# Altium PCB ultra.PcbDoc (part 3 of 9) (continued)
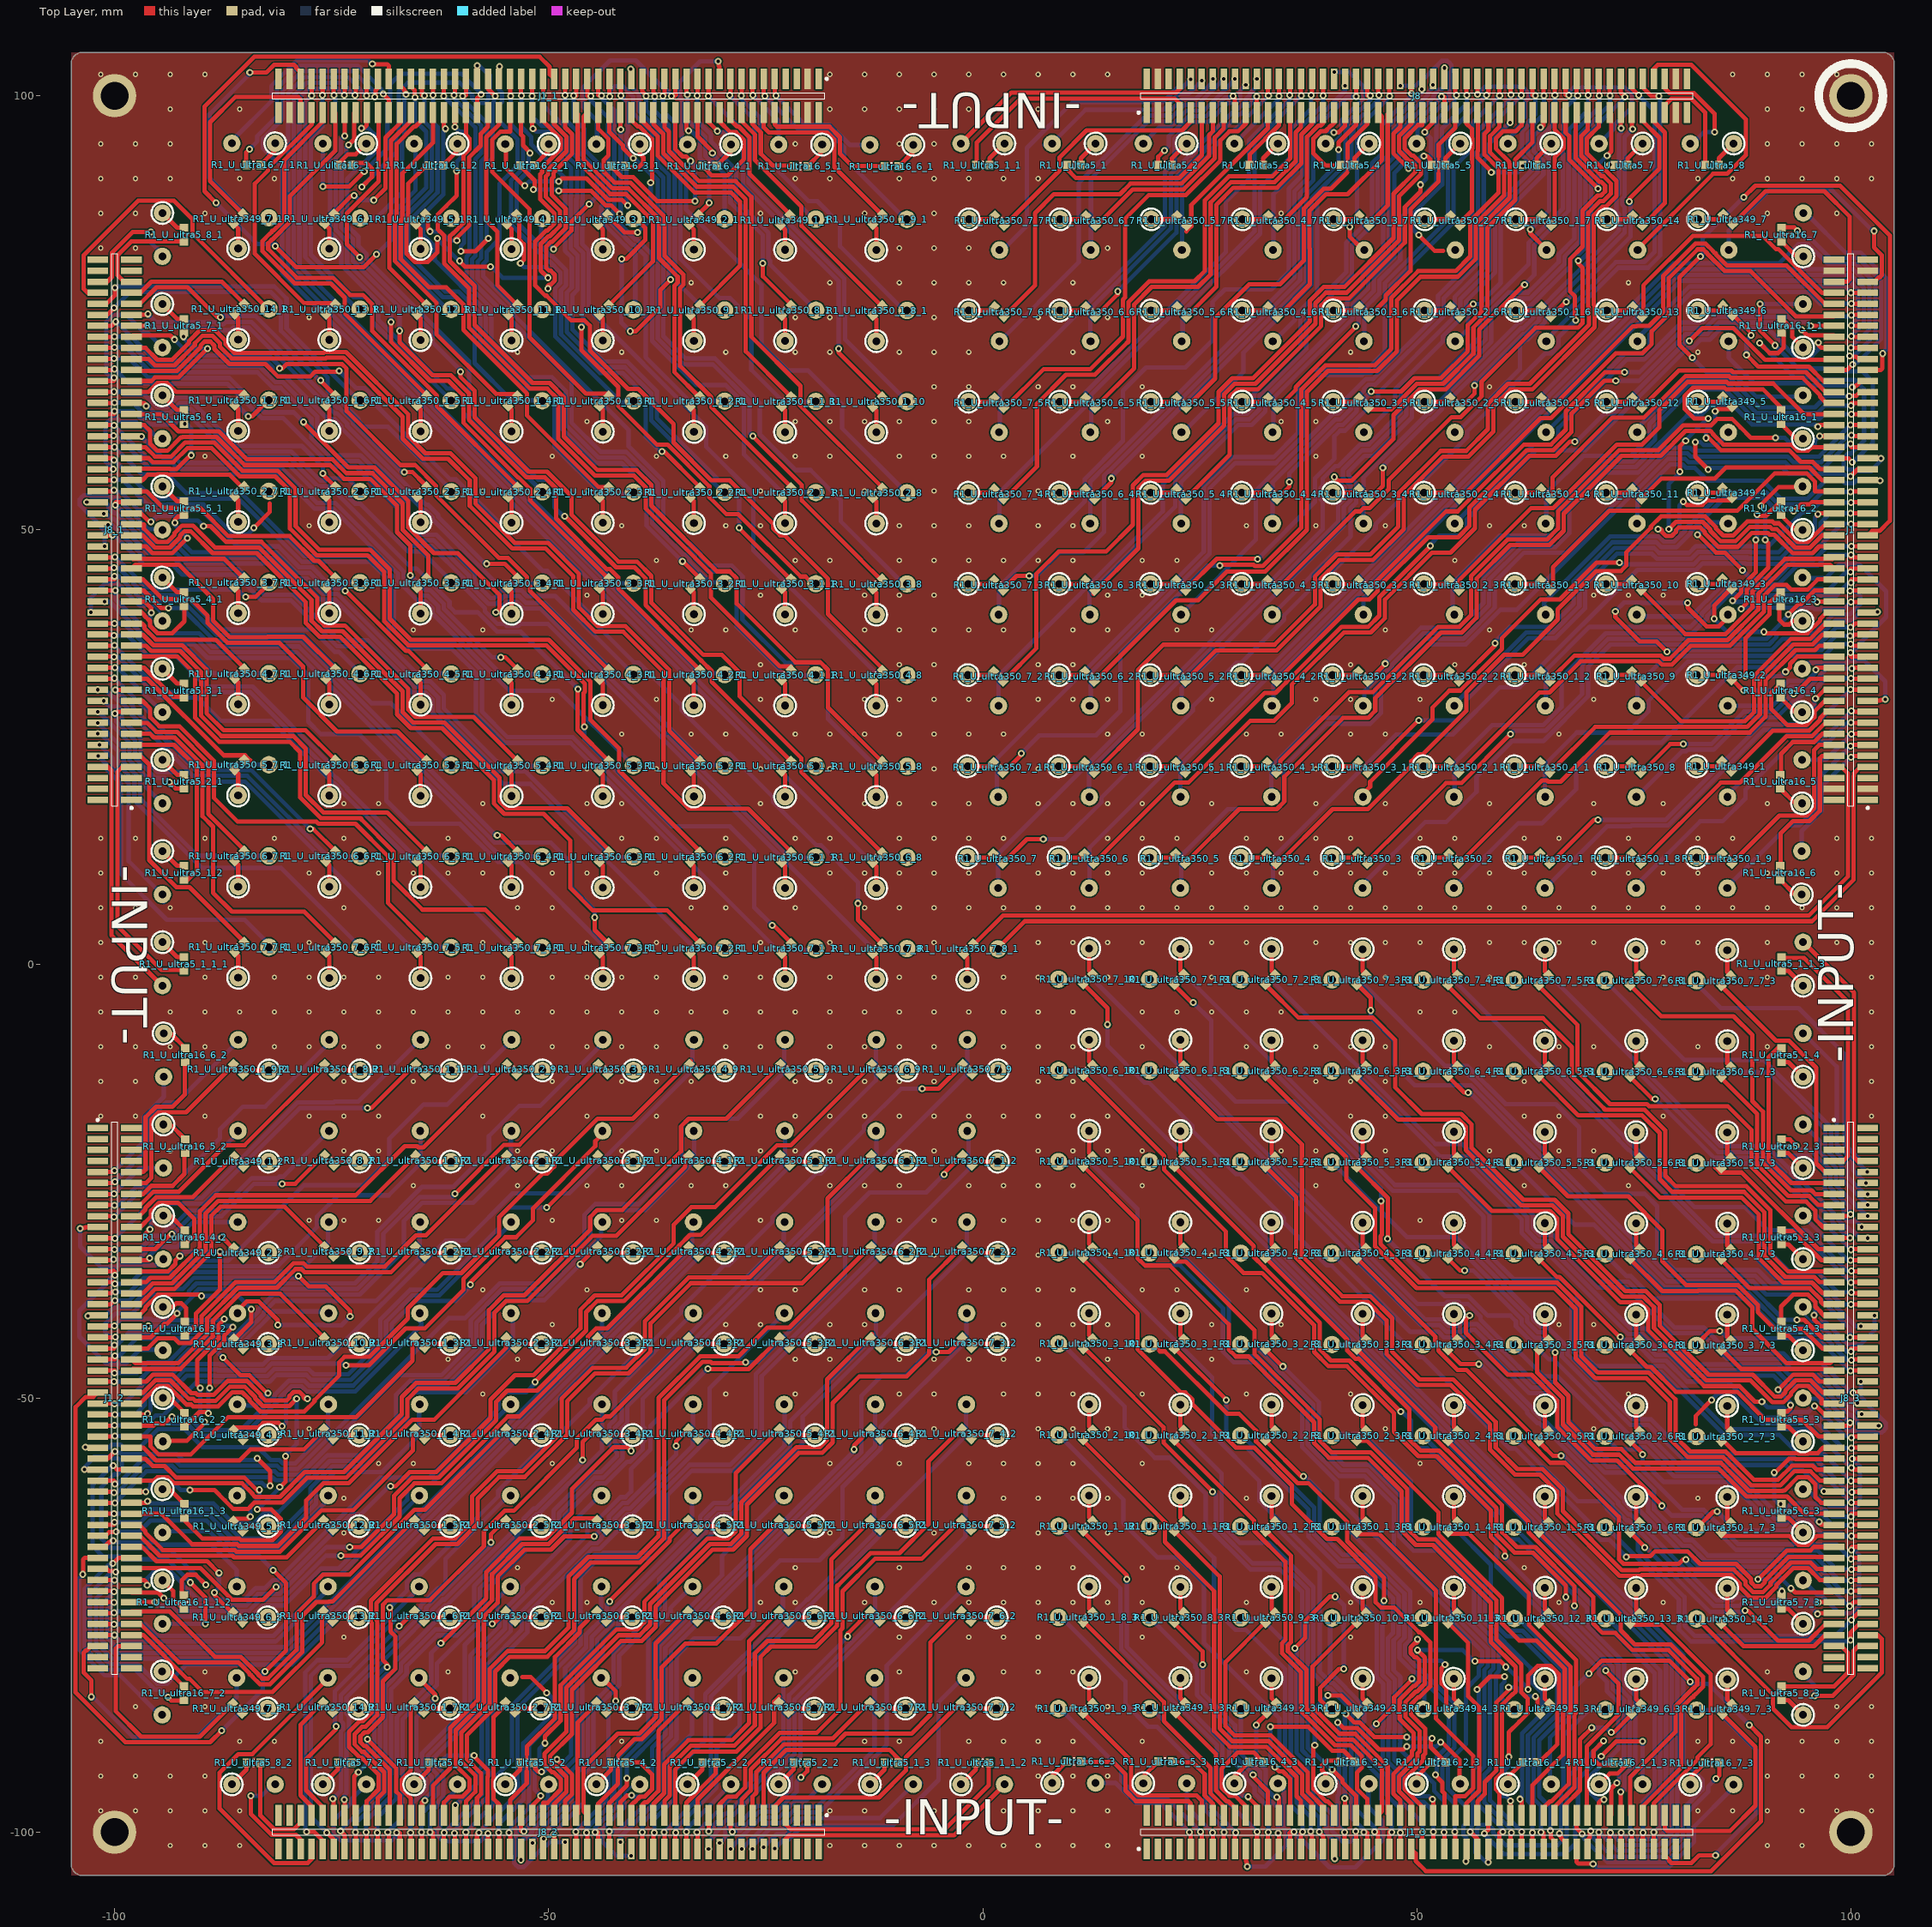
[diagram p0: Top Layer view]
## Nets (pads, with @x,y where several pads share a name; then routed paths per layer and width w, separated by ;. In a path a pad name is that pad's centre, name@x,y a point inside that pad or via, vN(x,y) a via of type N, cw(c..) or ccw(c..) an arc to the next point about the centre after c; other vN are vias at no path point) (continued)
  Bottom Layer w0.5: 22.784,19.685 22.784,22.967 79.817,80 100.313,80 102.159,78.154 102.159,73.127 v2(100.025,70.993)
NetJ1_84: J1.84 | length 101.2
  Top Layer w0.5: 23.317,22.047 32.487,31.217 33.735,31.217 34.945,32.426 34.945,32.435 41.342,38.832 44.423,38.832 45.695,40.104 45.695,42.232 51.562,48.099 v2(51.562,48.158) ; v2(96.241,71.577) 96.241,71.323 96.609,70.955 J1.84@98.05,70.955
  Bottom Layer w0.5: v2(51.562,48.158) 51.562,48.311 52.583,49.332 54.948,49.332 55.768,50.152 55.768,51.191 63.759,59.182 69.444,59.182 81.217,70.955 81.738,70.955 82.701,71.918 83.77,71.918 85.067,73.215 90.425,73.215 92.062,71.578 92.062,71.458 93.92,69.6 95.08,69.6 96.241,70.761 v2(96.241,71.577)
NetJ1_85: J1.85 | length 99.1
  Top Layer w0.5: v2(100.051,72.314) 100.076,72.314 100.165,72.225 J1.85@101.95,72.225
  Bottom Layer w0.5: 33.477,29.732 33.477,32.741 64.019,63.282 64.069,63.282 80.136,79.35 100.043,79.35 101.501,77.893 101.501,73.764 v2(100.051,72.314)
NetJ1_86: J1.86 | length 84.3
  Top Layer w0.5: 34.214,32.944 43.255,41.985 44.528,41.985 45.47,42.926 45.47,43.257 45.446,43.282 51.313,49.149 54.764,49.149 56.058,50.442 56.058,52.57 62.67,59.182 65.742,59.182 67.82,61.26 67.82,63.391 71.612,67.183 v2(72.923,67.183) ; v2(94.336,73.05) 94.986,72.4 98.05,72.4 J1.86@98.05,72.225
  Bottom Layer w0.5: v2(72.923,67.183) 72.949,67.158 75.581,67.158 80.991,72.568 83.501,72.568 84.798,73.865 92.597,73.865 93.162,73.3 94.086,73.3 v2(94.336,73.05)
NetJ1_87: J1.87 | length 80.4
  Top Layer w0.5: v2(100.051,73.533) 100.089,73.495 J1.87@101.95,73.495
  Bottom Layer w0.5: 43.866,40.742 43.866,42.21 64.288,62.632 64.338,62.632 80.406,78.7 99.774,78.7 100.825,77.649 100.825,76.404 100.851,76.379 100.851,74.333 v2(100.051,73.533)
NetJ1_88: J1.88 | length 68.4
  Top Layer w0.5: 44.35,43.105 53.377,52.132 54.701,52.132 55.995,53.426 55.995,53.48 62.347,59.832 65.473,59.832 67.17,61.529 67.17,63.66 71.684,68.174 v2(73.939,68.174) ; v2(95.377,73.508) 95.39,73.495 J1.88@98.05,73.495
  Bottom Layer w0.5: v2(73.939,68.174) 75.677,68.174 80.722,73.218 83.231,73.218 84.529,74.515 92.866,74.515 93.431,73.95 94.935,73.95 v2(95.377,73.508)
NetJ1_89: J1.89 | length 58.9
  Top Layer w0.5: v2(100.051,74.727) 99.974,74.727 99.936,74.765 J1.89@101.95,74.765
  Bottom Layer w0.5: 54.379,50.721 63.49,59.832 65.473,59.832 66.293,60.652 66.293,61.716 74.215,69.639 76.223,69.639 80.452,73.868 82.962,73.868 84.26,75.165 93.135,75.165 93.7,74.6 99.924,74.6 v2(100.051,74.727)
NetJ1_90: J1.90 | length 61.5
  Top Layer w0.5: 55.105,53.708 64.262,62.865 65.459,62.865 66.52,63.926 66.52,63.929 72.923,70.332 75.998,70.332 77.067,71.401 77.067,72.876 79.045,74.854 79.045,79.008 82.346,82.309 83.008,82.309 83.477,81.84 83.477,81.799 85.459,79.817 88.432,79.817 93.65,74.6 98.05,74.6 J1.90@98.05,74.765
NetJ1_91: J1.91 | length 44.6
  Top Layer w0.5: v2(100.051,76.048) 100.063,76.035 J1.91@101.95,76.035
  Bottom Layer w0.5: 65.278,61.62 73.946,70.289 75.954,70.289 76.818,71.152 76.818,72.52 81.697,77.4 95.08,77.4 96.432,76.048 v2(100.051,76.048)
NetJ1_92: J1.92 | length 45.8
  Top Layer w0.5: 65.476,64.028 74.905,73.457 75.336,73.457 75.364,73.485 76.756,73.485 78.395,75.123 78.395,79.277 82.076,82.959 83.278,82.959 84.127,82.109 84.127,82.068 84.316,81.879 84.419,81.879 84.445,81.854 84.445,81.75 85.728,80.467 92.583,80.467 97.015,76.035 J1.92@98.05,76.035
NetJ1_93: J1.93 | length 29.1
  Top Layer w0.5: v2(100.025,77.318) 100.051,77.343 100.203,77.343 100.241,77.305 J1.93@101.95,77.305
  Bottom Layer w0.5: 75.578,72.2 81.428,78.05 99.293,78.05 v2(100.025,77.318)
NetJ1_94: J1.94 | length 30.2
  Top Layer w0.5: 76.098,75.006 76.098,78.156 81.788,83.845 89.864,83.845 91.359,82.35 91.64,82.35 96.685,77.305 J1.94@98.05,77.305
NetJ1_95: J1.95 | length 30.7
  Top Layer w0.5: J1.95@101.95,78.575 102.693,78.575 103.193,79.075 103.316,79.075 103.55,79.309 103.55,81.651 102.667,82.534 v2(102.667,84.43)
  Bottom Layer w0.5: 85.954,81.737 85.954,84.506 90.526,89.078 97.866,89.078 102.514,84.43 v2(102.667,84.43)
NetJ1_96: J1.96 R1_U_ultra349_7.1 | length 25.6
  Top Layer w0.5: R1_U_ultra349_7.1@86.246,85.077 90.17,89.002 96.952,89.002 99.847,86.106 99.847,78.842 99.568,78.562 99.555,78.575 J1.96@98.05,78.575
NetJ2_7: 
NetJ2_8: 
NetJ2_9: 
NetJ2_10: 
NetJ2_11: 
NetJ2_12: 
NetJ2_13: 
NetJ2_14: 
NetJ2_15: 
NetJ2_16: 
NetJ2_17: 
NetJ2_18: 
NetJ2_19: 
NetJ2_20: 
NetJ2_21: 
NetJ2_22: 
NetJ2_23: 
NetJ2_24: 
NetJ2_25: 
NetJ2_26: 
NetJ2_27: 
NetJ2_28: 
NetJ2_29: 
NetJ2_30: 
NetJ2_31: 
NetJ2_32: 
NetJ2_33: 
NetJ2_34: 
NetJ2_35: 
NetJ2_36: 
NetJ2_37: 
NetJ2_38: 
NetJ2_39: 
NetJ2_40: 
NetJ2_41: 
NetJ2_42: 
NetJ2_43: 
NetJ2_44: 
NetJ2_45: 
NetJ2_46: 
NetJ2_47: 
NetJ2_48: 
NetJ2_49: 
NetJ2_50: 
NetJ2_51: 
NetJ2_52: 
NetJ2_53: 
NetJ2_54: 
NetJ2_55: 
NetJ2_56: 
NetJ2_57: 
NetJ2_58: 
NetJ2_59: 
NetJ2_60: 
NetJ2_61: 
NetJ2_62: 
NetJ2_63: 
NetJ2_64: 
NetJ2_65: 
NetJ2_66: 
NetJ2_67: 
NetJ2_68: 
NetJ2_69: 
NetJ2_70: 
NetJ2_71: 
NetJ2_72: 
NetJ2_73: 
NetJ2_74: 
NetJ2_75: 
NetJ2_76: 
NetJ2_77: 
NetJ2_78: 
NetJ2_79: 
NetJ2_80: 
NetJ2_81: 
NetJ2_82: 
NetJ2_83: 
NetJ2_84: 
NetJ2_85: 
NetJ2_86: 
NetJ2_87: 
NetJ2_88: 
NetJ2_89: 
NetJ2_90: 
NetJ2_91: 
NetJ2_92: 
NetJ2_93: 
NetJ2_94: 
NetJ2_95: 
NetJ2_96: 
NetJ3_7: 
NetJ3_8: 
NetJ3_9: 
NetJ3_10: 
NetJ3_11: 
NetJ3_12: 
NetJ3_13: 
NetJ3_14: 
NetJ3_15: 
NetJ3_16: 
NetJ3_17: 
NetJ3_18: 
NetJ3_19: 
NetJ3_20: 
NetJ3_21: 
NetJ3_22: 
NetJ3_23: 
NetJ3_24: 
NetJ3_25: 
NetJ3_26: 
NetJ3_27: 
NetJ3_28: 
NetJ3_29: 
NetJ3_30: 
NetJ3_31: 
NetJ3_32: 
NetJ3_33: 
NetJ3_34: 
NetJ3_35: 
NetJ3_36: 
NetJ3_37: 
NetJ3_38: 
NetJ3_39: 
NetJ3_40: 
NetJ3_41: 
NetJ3_42: 
NetJ3_43: 
NetJ3_44: 
NetJ3_45: 
NetJ3_46: 
NetJ3_47: 
NetJ3_48: 
NetJ3_49: 
NetJ3_50: 
NetJ3_51: 
NetJ3_52: 
NetJ3_53: 
NetJ3_54: 
NetJ3_55: 
NetJ3_56: 
NetJ3_57: 
NetJ3_58: 
NetJ3_59: 
NetJ3_60: 
NetJ3_61: 
NetJ3_62: 
NetJ3_63: 
NetJ3_64: 
NetJ3_65: 
NetJ3_66: 
NetJ3_67: 
NetJ3_68: 
NetJ3_69: 
NetJ3_70: 
NetJ3_71: 
NetJ3_72: 
NetJ3_73: 
NetJ3_74: 
NetJ3_75: 
NetJ3_76: 
NetJ3_77: 
NetJ3_78: 
NetJ3_79: 
NetJ3_80: 
NetJ3_81: 
NetJ3_82: 
NetJ3_83: 
NetJ3_84: 
NetJ3_85: 
NetJ3_86: 
NetJ3_87: 
NetJ3_88: 
NetJ3_89: 
NetJ3_90: 
NetJ3_91: 
NetJ3_92: 
NetJ3_93: 
NetJ3_94: 
NetJ3_95: 
NetJ3_96: 
NetJ4_7: 
NetJ4_8: 
NetJ4_9: 
NetJ4_10: 
NetJ4_11: 
NetJ4_12: 
NetJ4_13: 
NetJ4_14: 
NetJ4_15: 
NetJ4_16: 
NetJ4_17: 
NetJ4_18: 
NetJ4_19: 
NetJ4_20: 
NetJ4_21: 
NetJ4_22: 
NetJ4_23: 
NetJ4_24: 
NetJ4_25: 
NetJ4_26: 
NetJ4_27: 
NetJ4_28: 
NetJ4_29: 
NetJ4_30: 
NetJ4_31: 
NetJ4_32: 
NetJ4_33: 
NetJ4_34: 
NetJ4_35: 
NetJ4_36: 
NetJ4_37: 
NetJ4_38: 
NetJ4_39: 
NetJ4_40: 
NetJ4_41: 
NetJ4_42: 
NetJ4_43: 
NetJ4_44: 
NetJ4_45: 
NetJ4_46: 
NetJ4_47: 
NetJ4_48: 
NetJ4_49: 
NetJ4_50: 
NetJ4_51: 
NetJ4_52: 
NetJ4_53: 
NetJ4_54: 
NetJ4_55: 
NetJ4_56: 
NetJ4_57: 
NetJ4_58: 
NetJ4_59: 
NetJ4_60: 
NetJ4_61: 
NetJ4_62: 
NetJ4_63: 
NetJ4_64: 
NetJ4_65: 
NetJ4_66: 
NetJ4_67: 
NetJ4_68: 
NetJ4_69: 
NetJ4_70: 
NetJ4_71: 
NetJ4_72: 
NetJ4_73: 
NetJ4_74: 
NetJ4_75: 
NetJ4_76: 
NetJ4_77: 
NetJ4_78: 
NetJ4_79: 
NetJ4_80: 
NetJ4_81: 
NetJ4_82: 
NetJ4_83: 
NetJ4_84: 
NetJ4_85: 
NetJ4_86: 
NetJ4_87: 
NetJ4_88: 
NetJ4_89: 
NetJ4_90: 
NetJ4_91: 
NetJ4_92: 
NetJ4_93: 
NetJ4_94: 
NetJ4_95: 
NetJ4_96: 
NetJ5_7: 
NetJ5_8: 
NetJ5_9: 
NetJ5_10: 
NetJ5_11: 
NetJ5_12: 
NetJ5_13: 
NetJ5_14: 
NetJ5_15: 
NetJ5_16: 
NetJ5_17: 
NetJ5_18: 
NetJ5_19: 
NetJ5_20: 
NetJ5_21: 
NetJ5_22: 
NetJ5_23: 
NetJ5_24: 
NetJ5_25: 
NetJ5_26: 
NetJ5_27: 
NetJ5_28: 
NetJ5_29: 
NetJ5_30: 
NetJ5_31: 
NetJ5_32: 
NetJ5_33: 
NetJ5_34: 
NetJ5_35: 
NetJ5_36: 
NetJ5_37: 
NetJ5_38: 
NetJ5_39: 
NetJ5_40: 
NetJ5_41: 
NetJ5_42: 
NetJ5_43: 
NetJ5_44: 
NetJ5_45: 
NetJ5_46: 
NetJ5_47: 
NetJ5_48: 
NetJ5_49: 
NetJ5_50: 
NetJ5_51: 
NetJ5_52: 
NetJ5_53: 
NetJ5_54: 
NetJ5_55: 
NetJ5_56: 
NetJ5_57: 
NetJ5_58: 
NetJ5_59: 
NetJ5_60: 
NetJ5_61: 
NetJ5_62: 
NetJ5_63: 
NetJ5_64: 
NetJ5_65: 
NetJ5_66: 
NetJ5_67: 
NetJ5_68: 
NetJ5_69: 
NetJ5_70: 
NetJ5_71: 
NetJ5_72: 
NetJ5_73: 
NetJ5_74: 
NetJ5_75: 
NetJ5_76: 
NetJ5_77: 
NetJ5_78: 
NetJ5_79: 
NetJ5_80: 
NetJ5_81: 
NetJ5_82: 
NetJ5_83: 
NetJ5_84: 
NetJ5_85: 
NetJ5_86: 
NetJ5_87: 
NetJ5_88: 
NetJ5_89: 
NetJ5_90: 
NetJ5_91: 
NetJ5_92: 
NetJ5_93: 
NetJ5_94: 
NetJ5_95: 
NetJ5_96: 
NetJ6_7: 
NetJ6_8: 
NetJ6_9: 
NetJ6_10: 
NetJ6_11: 
NetJ6_12: 
NetJ6_13: 
NetJ6_14: 
NetJ6_15: 
NetJ6_16: 
NetJ6_17: 
NetJ6_18: 
NetJ6_19: 
NetJ6_20: 
NetJ6_21: 
NetJ6_22: 
NetJ6_23: 
NetJ6_24: 
NetJ6_25: 
NetJ6_26: 
NetJ6_27: 
NetJ6_28: 
NetJ6_29: 
NetJ6_30: 
NetJ6_31: 
NetJ6_32: 
NetJ6_33: 
NetJ6_34: 
NetJ6_35: 
NetJ6_36: 
NetJ6_37: 
NetJ6_38: 
NetJ6_39: 
NetJ6_40: 
NetJ6_41: 
NetJ6_42: 
NetJ6_43: 
NetJ6_44: 
NetJ6_45: 
NetJ6_46: 
NetJ6_47: 
NetJ6_48: 
NetJ6_49: 
NetJ6_50: 
NetJ6_51: 
NetJ6_52: 
NetJ6_53: 
NetJ6_54: 
NetJ6_55: 
NetJ6_56: 
NetJ6_57: 
NetJ6_58: 
NetJ6_59: 
NetJ6_60: 
NetJ6_61: 
NetJ6_62: 
NetJ6_63: 
NetJ6_64: 
NetJ6_65: 
NetJ6_66: 
NetJ6_67: 
NetJ6_68: 
NetJ6_69: 
NetJ6_70: 
NetJ6_71: 
NetJ6_72: 
NetJ6_73: 
NetJ6_74: 
NetJ6_75: 
NetJ6_76: 
NetJ6_77: 
NetJ6_78: 
NetJ6_79: 
NetJ6_80: 
NetJ6_81: 
NetJ6_82: 
NetJ6_83: 
NetJ6_84: 
NetJ6_85: 
NetJ6_86: 
NetJ6_87: 
NetJ6_88: 
NetJ6_89: 
NetJ6_90: 
NetJ6_91: 
NetJ6_92: 
NetJ6_93: 
NetJ6_94: 
NetJ6_95: 
NetJ6_96: 
NetJ7_7: 
NetJ7_8: 
NetJ7_9: 
NetJ7_10: 
NetJ7_11: 
NetJ7_12: 
NetJ7_13: 
NetJ7_14: 
NetJ7_15: 
NetJ7_16: 
NetJ7_17: 
NetJ7_18: 
NetJ7_19: 
NetJ7_20: 
NetJ7_21: 
NetJ7_22: 
NetJ7_23: 
NetJ7_24: 
NetJ7_25: 
NetJ7_26: 
NetJ7_27: 
NetJ7_28: 
NetJ7_29: 
NetJ7_30: 
NetJ7_31: 
NetJ7_32: 
NetJ7_33: 
NetJ7_34: 
NetJ7_35: 
NetJ7_36: 
NetJ7_37: 
NetJ7_38: 
NetJ7_39: 
NetJ7_40: 
NetJ7_41: 
NetJ7_42: 
NetJ7_43: 
NetJ7_44: 
NetJ7_45: 
NetJ7_46: 
NetJ7_47: 
NetJ7_48: 
NetJ7_49: 
NetJ7_50: 
NetJ7_51: 
NetJ7_52: 
NetJ7_53: 
NetJ7_54: 
NetJ7_55: 
NetJ7_56: 
NetJ7_57: 
NetJ7_58: 
NetJ7_59: 
NetJ7_60: 
NetJ7_61: 
NetJ7_62: 
NetJ7_63: 
NetJ7_64: 
NetJ7_65: 
NetJ7_66: 
NetJ7_67: 
NetJ7_68: 
NetJ7_69: 
NetJ7_70: 
NetJ7_71: 
NetJ7_72: 
NetJ7_73: 
NetJ7_74: 
NetJ7_75: 
NetJ7_76: 
NetJ7_77: 
NetJ7_78: 
NetJ7_79: 
NetJ7_80: 
NetJ7_81: 
NetJ7_82: 
NetJ7_83: 
NetJ7_84: 
NetJ7_85: 
NetJ7_86: 
NetJ7_87: 
NetJ7_88: 
NetJ7_89: 
NetJ7_90: 
NetJ7_91: 
NetJ7_92: 
NetJ7_93: 
NetJ7_94: 
NetJ7_95: 
NetJ7_96: 
NetJ8_7: J8.7 | length 29.6
  Top Layer w0.5: -0.686,91.796 -0.686,94.615 4.349,99.65 22.143,99.65 22.695,99.098 J8.7@22.695,98.05
NetJ8_8: J8.8 | length 28.2
  Top Layer w0.5: -1.968,95.085 3.297,100.35 22.27,100.35 22.695,100.775 J8.8@22.695,101.95
NetJ8_9: J8.9 | length 28.1
  Top Layer w0.5: 2.667,85.192 8.839,91.364 8.839,92.888 11.963,96.012 22.962,96.012 23.965,97.015 J8.9@23.965,98.05
NetJ8_10: J8.10 | length 35.1
  Top Layer w0.2: v2(23.952,101.879) 23.965,101.892 J8.10@23.965,101.95
  Bottom Layer w0.5: 2.324,82.258 5.08,85.014 5.08,93.98 10.388,99.288 20.792,99.288 22.407,100.903 22.975,100.903 v2(23.952,101.879)
NetJ8_11: J8.11 | length 22
  Top Layer w0.5: 9.672,91.587 10.74,90.52 22.611,90.52 25.235,93.144 J8.11@25.235,98.05
NetJ8_12: J8.12 | length 21.4
  Top Layer w0.2: v2(25.222,101.727) 25.235,101.74 J8.12@25.235,101.95
  Bottom Layer w0.5: 7.112,94.361 7.823,94.361 11.831,98.368 20.792,98.368 22.677,100.253 23.748,100.253 v2(25.222,101.727)
NetJ8_13: J8.13 | length 41.3
  Top Layer w0.5: 2.447,74.583 6.02,78.156 6.02,86.487 8.179,88.646 15.794,88.646 17.018,89.87 22.88,89.87 26.081,93.071 26.081,95.479 26.505,95.903 J8.13@26.505,98.05
NetJ8_14: J8.14 | length 42.9
  Bottom Layer w0.5: 1.753,71.501 11.043,80.791 11.043,89.942 18.819,97.718 21.062,97.718 22.946,99.603 24.508,99.603 26.505,101.599 v2(26.505,101.95)
NetJ8_15: J8.15 | length 22.6
  Top Layer w0.5: 13.061,84.994 17.287,89.22 23.15,89.22 26.731,92.801 26.731,95.21 27.775,96.253 J8.15@27.775,98.05
NetJ8_16: J8.16 | length 29
  Bottom Layer w0.5: 12.471,81.509 12.471,90.451 19.089,97.068 21.331,97.068 23.215,98.953 24.778,98.953 v2(27.775,101.95)
NetJ8_17: J8.17 | length 14.8
  Top Layer w0.5: 20.218,92.405 20.218,92.989 v2(20.93,93.701) ; v2(28.854,99.974) 29.045,99.784 J8.17@29.045,98.05
  Bottom Layer w0.5: v2(20.93,93.701) 21.45,94.221 21.45,95.349 23.753,97.653 25.766,97.653 27.938,99.824 28.704,99.824 v2(28.854,99.974)
NetJ8_18: J8.18 | length 13.2
  Bottom Layer w0.5: 18.86,94.907 20.371,96.418 21.6,96.418 23.484,98.303 25.497,98.303 29.045,101.851 v2(29.045,101.95)
NetJ8_19: J8.19 | length 51.8
  Top Layer w0.5: 2.506,63.999 7.025,68.519 12.41,68.519 16.15,72.258 16.15,76.51 16.383,76.743 16.383,85.827 19.126,88.57 23.419,88.57 27.381,92.532 27.381,94.861 28.42,95.9 29.403,95.9 30.315,96.812 J8.19@30.315,98.05
NetJ8_20: J8.20 | length 54.4
  Top Layer w0.5: v2(30.302,101.27) 30.315,101.283 J8.20@30.315,101.95
  Bottom Layer w0.5: 1.981,61.036 1.981,65.957 21.012,84.987 21.012,91.249 22.1,92.338 22.1,95.08 24.023,97.003 26.035,97.003 28.207,99.174 29.186,99.174 29.654,99.643 29.654,100.622 v2(30.302,101.27)
NetJ8_21: J8.21 | length 35.3
  Top Layer w0.5: 12.98,74.55 15.545,77.114 v2(15.545,77.47) ; v2(31.572,99.924) 31.572,98.063 J8.21@31.585,98.05
  Bottom Layer w0.5: v2(15.545,77.47) 22.312,84.237 22.312,90.711 24.051,92.45 24.349,92.45 25.55,93.651 25.55,93.949 29.475,97.874 29.724,97.874 30.954,99.105 30.954,99.354 31.524,99.924 v2(31.572,99.924)
NetJ8_22: J8.22 | length 37.8
  Bottom Layer w0.5: 12.395,72.441 12.395,75.452 21.662,84.718 21.662,90.98 23.782,93.1 24.08,93.1 24.9,93.92 24.9,94.218 29.206,98.524 29.455,98.524 30.304,99.374 30.304,99.623 30.772,100.091 30.772,100.255 31.585,101.068 v2(31.585,101.95)
NetJ8_23: J8.23 | length 17.6
  Top Layer w0.5: 23.444,84.379 24.028,84.963 24.028,87.428 32.855,96.254 J8.23@32.855,98.05
NetJ8_24: J8.24 | length 23.9
  Top Layer w0.5: J8.24@32.855,101.95 32.855,100.267 32.766,100.178 32.766,100.152 v2(32.918,100)
  Bottom Layer w0.5: 22.962,82.702 22.962,90.441 24.32,91.8 24.618,91.8 26.2,93.382 26.2,93.68 28.42,95.9 28.819,95.9 v2(32.918,100)
NetJ8_25: J8.25 | length 7.1
  Top Layer w0.5: 30.785,92.354 30.785,93.265 34.125,96.605 J8.25@34.125,98.05
NetJ8_26: J8.26 | length 9
  Top Layer w0.5: v2(34.112,99.974) 34.138,100 34.138,100.254 34.125,100.266 J8.26@34.125,101.95
  Bottom Layer w0.5: 29.4,94.907 34.112,99.619 v2(34.112,99.974)
NetJ8_27: J8.27 | length 66.2
  Top Layer w0.5: 2.463,53.517 6.248,57.302 6.248,64.541 9.576,67.869 12.929,67.869 16.612,71.552 16.698,71.552 16.8,71.653 16.8,76.241 19.187,78.628 24.399,78.628 25.599,79.828 25.599,87.965 28.341,90.708 33.371,90.708 35.4,92.737 35.4,95.08 35.395,95.085 J8.27@35.395,98.05
NetJ8_28: J8.28 | length 65.6
  Top Layer w0.5: v2(35.382,100.051) 35.395,100.063 J8.28@35.395,101.95
  Bottom Layer w0.5: 1.93,50.267 1.93,54.305 11.847,64.222 11.847,65.831 19.883,73.868 19.962,73.868 20.782,74.688 20.782,74.767 27.991,81.975 27.991,87.736 30.653,90.399 30.653,94.895 35.382,99.624 v2(35.382,100.051)
NetJ8_29: J8.29 | length 49.5
  Top Layer w0.5: 13.221,64.376 17.45,68.605 17.45,75.971 19.456,77.978 24.801,77.978 26.249,79.426 26.249,87.696 28.611,90.058 33.64,90.058 36.05,92.468 36.05,95.788 36.665,96.403 J8.29@36.665,98.05
NetJ8_30: J8.30 | length 50.5
  Top Layer w0.5: J8.30@36.665,101.95 36.665,100.012 v2(36.678,100)
  Bottom Layer w0.5: 12.497,61.519 12.497,65.562 20.152,73.218 20.231,73.218 21.432,74.419 21.432,74.498 31.307,84.373 31.307,86.348 31.303,86.352 31.303,94.625 v2(36.678,100)
NetJ8_31: J8.31 | length 32.4
  Top Layer w0.5: 23.475,74.554 26.899,77.978 26.899,87.427 28.88,89.408 33.909,89.408 36.7,92.199 36.7,95.518 37.935,96.753 J8.31@37.935,98.05
NetJ8_32: J8.32 | length 36.4
  Top Layer w0.5: v2(37.821,100.076) 37.935,100.19 J8.32@37.935,101.95
  Bottom Layer w0.5: 23.038,71.732 23.038,75.184 31.957,84.103 31.957,86.617 31.953,86.621 31.953,89.417 35.5,92.964 35.5,96.157 37.821,98.477 v2(37.821,100.076)
NetJ8_33: J8.33 | length 15.3
  Top Layer w0.5: 34.026,85.029 37.35,88.353 37.35,95.249 38.651,96.55 38.92,96.55 39.205,96.835 J8.33@39.205,98.05
NetJ8_34: J8.34 | length 22.7
  Top Layer w0.5: J8.34@39.205,101.95 39.205,100.038 v2(39.218,100.025)
  Bottom Layer w0.5: 33.503,81.636 33.503,88.691 36.15,91.338 36.15,95.888 39.218,98.955 v2(39.218,100.025)
NetJ8_35: J8.35 | length 9.5
  Top Layer w0.5: J8.35@40.475,98.05 40.475,96.863 40.17,96.558 40.105,96.558 39.637,96.089 39.637,96.025 39.512,95.9 38.92,95.9 38.1,95.08 38.1,93.345 39.472,91.973 40.919,91.973
NetJ8_36: J8.36 | length 15.2
  Top Layer w0.2: J8.36@40.475,101.95 40.475,102.68 v2(40.513,102.718)
  Bottom Layer w0.3: 39.091,94.132 39.599,93.624 39.345,93.624 41.25,95.529 41.25,96.273 41.225,96.249 41.225,96.609
  Bottom Layer w0.5: v2(40.513,102.718) 42.215,102.718 43.866,101.067 43.828,101.028 43.828,99.592 43.359,99.124 43.28,99.124 41.225,97.069 41.225,96.609
NetJ8_37: J8.37 | length 76.2
  Top Layer w0.5: 2.331,43.123 3.912,44.704 v2(5.359,44.704) ; v2(40.437,95.758) 40.869,95.758 40.919,95.809 40.97,95.758 41.745,96.533 J8.37@41.745,98.05
  Bottom Layer w0.5: v2(5.359,44.704) 6.172,44.704 8.865,47.396 11.608,47.396 13.97,49.759 13.97,56.224 14.477,56.731 14.506,56.731 36.571,78.796 36.571,88.751 38.1,90.28 38.1,95.08 38.92,95.9 40.437,95.9 40.437,95.982 40.661,95.758 v2(40.437,95.758)
NetJ8_38: J8.38 | length 84
  Top Layer w0.2: v2(41.732,101.143) 41.745,101.156 J8.38@41.745,101.95
  Bottom Layer w0.5: 1.88,40.232 1.88,43.409 11.745,53.274 11.745,55.838 16.154,60.247 16.154,66.04 18.821,68.707 23.343,68.707 26.492,71.857 26.492,76.276 27.915,77.699 33.255,77.699 35.271,79.715 35.271,89.289 36.8,90.818 36.8,95.618 41.732,100.551 v2(41.732,101.143)
NetJ8_39: J8.39 | length 56.9
  Top Layer w0.5: 12.907,53.572 14.808,55.474 v2(14.808,55.931) ; v2(40.996,93.802) 40.996,94.64 43.015,96.66 J8.39@43.015,98.05
  Bottom Layer w0.5: v2(14.808,55.931) 14.808,56.113 37.221,78.527 37.221,88.482 40.996,92.256 v2(40.996,93.802)
NetJ8_40: J8.40 | length 64.3
  Top Layer w0.5: J8.40@43.015,101.95 43.015,100.14 43.002,100.127 43.002,99.949 v2(43.028,99.924)
  Bottom Layer w0.5: 12.395,50.952 12.395,55.568 14.208,57.381 14.237,57.381 35.921,79.065 35.921,89.02 37.45,90.549 37.45,95.349 42.024,99.924 v2(43.028,99.924)
NetJ8_41: J8.41 | length 45
  Top Layer w0.3: 41.986,91.161 41.986,92.761 42.012,92.786
  Top Layer w0.5: 23.558,64.198 26.772,67.412 26.772,74.371 30.683,78.283 34.265,78.283 36.993,81.011 36.993,87.01 39.279,89.296 40.122,89.296 41.986,91.161 ; 42.012,92.786 42.024,92.799 42.024,94.45 44.285,96.711 J8.41@44.285,98.05
NetJ8_42: J8.42 | length 49.7
  Top Layer w0.5: J8.42@44.285,101.95 44.285,100.038 44.298,100.025 v2(44.628,100.025)
  Bottom Layer w0.5: 23.292,61.443 30.023,68.174 30.023,70.409 37.871,78.257 37.871,88.212 41.8,92.141 41.8,95.904 42.055,96.16 42.055,96.98 43.549,98.474 43.628,98.474 44.628,99.473 v2(44.628,100.025)
NetJ8_43: J8.43 | length 30.2
  Top Layer w0.5: 33.97,74.559 37.694,78.283 37.694,82.398 37.643,82.448 37.643,86.741 39.548,88.646 42.037,88.646 46,92.609 46,97.605 J8.43@45.555,98.05
NetJ8_44: J8.44 | length 35.2
  Top Layer w0.5: J8.44@45.555,101.95 45.555,100.292 45.644,100.203 v2(45.644,100.076)
  Bottom Layer w0.5: 33.63,71.831 35.962,74.163 35.962,74.666 38.521,77.225 38.521,87.943 42.45,91.872 42.45,95.635 42.705,95.89 42.705,96.711 43.818,97.824 43.897,97.824 45.644,99.57 v2(45.644,100.076)
NetJ8_45: J8.45 | length 13.8
  Top Layer w0.5: 44.526,85.242 46.65,87.366 46.65,97.875 J8.45@46.825,98.05
NetJ8_46: J8.46 | length 22
  Top Layer w0.5: v2(42.291,84.912) 42.291,83.744 43.561,82.474 ; J8.46@46.825,101.95 46.825,100.038 v2(46.888,99.974)
  Bottom Layer w0.5: v2(42.291,84.912) 42.291,84.963 43.1,85.772 43.1,95.366 43.355,95.621 43.355,96.441 44.088,97.174 44.167,97.174 46.888,99.895 v2(46.888,99.974)
NetJ8_47: J8.47 | length 11.8
  Top Layer w0.5: J8.47@48.095,98.05 48.095,96.413 47.3,95.618 47.3,93.382 49.013,91.669 49.068,91.669 49.068,91.639 v2(49.047,91.618) ; v2(50.825,93.066) 51.168,93.066 51.537,92.697 51.537,91.77
  Bottom Layer w0.5: v2(49.047,91.618) 49.098,91.618 50.647,93.167 50.749,93.167 50.749,93.142 v2(50.825,93.066)
NetJ8_48: J8.48 | length 19.2
  Top Layer w0.5: J8.48@48.095,101.95 48.095,101.155 v2(48.108,101.143)
  Bottom Layer w0.5: v2(48.108,101.143) 49.846,101.143 50.265,101.562 50.418,101.562 52.856,104 53.519,104 53.722,103.797 53.785,103.797 53.785,103.735 53.988,103.532 53.988,102.869 53.838,102.719 53.838,100.811 53.785,100.758 53.785,100.17 53.657,100.043 53.657,99.567 53.189,99.098 53.056,99.098 50.592,96.634 50.57,96.634 50.102,96.166 50.102,94.132
NetJ8_49: J8.49 | length 94
  Top Layer w0.5: 2.565,32.741 6.159,36.335 6.159,44.92 8.738,47.498 14.199,47.498 17.282,50.582 17.282,55.117 18.483,56.318 21.185,56.318 27.157,62.29 27.157,65.886 28.739,67.468 31.133,67.468 37.682,74.017 37.682,76.386 39.264,77.968 41.658,77.968 47.305,83.615 47.305,88.7 49.847,91.243 49.847,91.949 49.347,92.45 49.151,92.45 47.95,93.651 47.95,95.349 49.365,96.764 J8.49@49.365,98.05
NetJ8_50: J8.50 | length 92.1
  Top Layer w0.5: J8.50@49.365,101.95 49.365,100.292 v2(49.403,100.254)
  Bottom Layer w0.5: 1.829,30.48 1.829,33.228 20.732,52.131 20.732,55.215 28.885,63.368 30.437,63.368 31.257,64.188 31.257,65.74 36.612,71.094 36.612,74.396 41.893,79.677 41.893,83.081 44.832,86.021 44.832,92.211 45.995,93.374 45.995,96.655 49.403,100.063 v2(49.403,100.254)
NetJ8_51: J8.51 | length 77.5
  Top Layer w0.5: 12.725,42.647 17.932,47.853 17.932,54.848 18.752,55.668 21.454,55.668 27.807,62.021 27.807,65.617 29.008,66.818 31.402,66.818 38.332,73.748 38.332,76.117 39.533,77.318 41.927,77.318 47.976,83.366 47.976,88.452 50.497,90.973 50.497,92.225 49.623,93.1 49.42,93.1 48.6,93.92 48.6,95.08 50.154,96.634 50.635,96.634 J8.51@50.635,98.05
NetJ8_52: J8.52 | length 78.4
  Top Layer w0.5: v2(50.597,100.762) 50.648,100.813 50.521,100.813 50.635,100.927 J8.52@50.635,101.95
  Bottom Layer w0.5: 12.319,40.488 12.319,42.799 22.185,52.665 22.185,55.748 29.155,62.718 30.706,62.718 31.907,63.919 31.907,65.47 37.262,70.825 37.262,74.127 42.543,79.408 42.543,82.812 45.482,85.752 45.482,91.942 46.645,93.104 46.645,96.386 49.493,99.234 49.512,99.234 49.731,99.454 49.734,99.454 50.203,99.922 50.203,99.925 50.597,100.319 v2(50.597,100.762)
NetJ8_53: J8.53 | length 60.3
  Top Layer w0.5: 23.368,53.238 23.368,53.569 28.457,58.658 28.457,65.348 29.277,66.168 31.672,66.168 38.982,73.478 38.982,75.848 39.802,76.668 42.197,76.668 48.626,83.097 48.626,87.163 50.419,88.956 v2(50.419,89.764) ; v2(50.902,95.834) 50.775,95.834 51.905,96.965 J8.53@51.905,98.05
  Bottom Layer w0.5: v2(50.419,89.764) 51.069,90.413 51.069,92.266 51.157,92.266 51.625,92.734 51.625,93.397 51.593,93.429 51.593,95.143 v2(50.902,95.834)
NetJ8_54: J8.54 | length 63.7
  Top Layer w0.5: v2(51.867,101.244) 51.905,101.283 J8.54@51.905,101.95
  Bottom Layer w0.5: 22.835,51.206 22.835,55.478 29.424,62.068 30.976,62.068 32.557,63.649 32.557,65.201 41.992,74.636 41.992,76.297 43.74,78.045 43.74,79.527 46.132,81.92 46.132,91.672 47.3,92.84 47.3,96.122 49.763,98.584 49.781,98.584 50.001,98.804 50.004,98.804 50.853,99.653 50.853,99.656 51.247,100.05 51.247,100.28 51.397,100.43 51.397,100.488 51.867,100.958 v2(51.867,101.244)
NetJ8_55: J8.55 | length 45.9
  Top Layer w0.5: 33.965,64.039 36.038,66.112 36.038,66.426 42.977,73.365 v2(42.977,73.457) ; v2(52.857,99.898) 53.137,99.898 53.175,99.86 J8.55@53.175,98.05
  Bottom Layer w0.5: v2(42.977,73.457) 43.292,73.772 43.292,75.758 45.04,77.506 45.04,78.989 47.432,81.381 47.432,91.134 48.6,92.302 48.6,95.583 50.301,97.284 50.322,97.284 52.547,99.509 52.547,99.742 52.703,99.898 v2(52.857,99.898)
NetJ8_56: J8.56 | length 52
  Top Layer w0.2: J8.56@53.175,101.95 53.175,103.187 53.086,103.276 53.111,103.276 v2(53.188,103.2)
  Bottom Layer w0.5: 33.503,61.011 33.503,65.227 42.642,74.367 42.642,76.027 44.39,77.775 44.39,79.258 46.782,81.65 46.782,91.403 47.95,92.571 47.95,95.852 50.032,97.934 50.05,97.934 50.27,98.154 50.273,98.154 51.503,99.384 51.503,99.387 51.897,99.781 51.897,100.011 52.047,100.161 52.047,100.219 52.526,100.698 52.805,100.698 53.188,101.08 v2(53.188,103.2)
NetJ8_57: J8.57 | length 27.6
  Top Layer w0.3: 52.502,91.084 52.527,91.11 52.527,93.015
  Top Layer w0.5: 44.478,74.552 46.427,76.5 46.427,76.992 49.276,79.842 49.276,86.893 52.502,90.119 52.502,91.084 ; 52.527,93.015 52.527,94.386 54.445,96.304 J8.57@54.445,98.05
NetJ8_58: J8.58 | length 34.4
  Top Layer w0.5: J8.58@54.445,101.95 54.445,100.165 54.432,100.152 54.534,100.051 v2(54.585,100.051)
  Bottom Layer w0.5: 43.942,72.111 43.942,75.489 45.69,77.237 45.69,78.72 48.082,81.112 48.082,85.842 52.275,90.035 52.275,93.666 52.243,93.698 52.243,97.166 54.307,99.23 54.307,99.773 v2(54.585,100.051)
NetJ8_59: J8.59 | length 13.5
  Top Layer w0.5: 55.029,85.433 56.335,86.739 56.335,93.855 56.4,93.92 56.4,95.08 56.335,95.145 56.335,96.192 55.715,96.812 J8.59@55.715,98.05
NetJ8_60: J8.60 | length 24.5
  Top Layer w0.5: v2(50.216,83.972) 52.07,82.118 53.039,82.118 ; J8.60@55.715,101.95 55.715,100.241 55.702,100.228 55.702,100.101 v2(55.753,100.051)
  Bottom Layer w0.5: v2(50.216,83.972) 50.19,83.972 49.507,84.656 49.507,86.348 52.925,89.766 52.925,93.935 52.893,93.968 52.893,96.212 55.753,99.071 v2(55.753,100.051)
NetJ8_61: J8.61 | length 11.5
  Top Layer w0.5: J8.61@56.985,98.05 57.05,97.985 57.05,93.651 56.985,93.586 56.985,92.875 58.598,91.262 v2(58.598,91.161)
  Bottom Layer w0.5: v2(58.598,91.161) 61.671,91.161 v2@62.23,91.719
  other v2: 62.205,91.923
NetJ8_62: J8.62 | length 15.4
  Top Layer w0.5: J8.62@56.985,101.95 56.985,100.139 56.998,100.127 v2(56.998,100.178)
  Bottom Layer w0.5: v2(56.998,100.178) 57.887,101.067 62.168,101.067 62.852,100.382 62.852,99.719 62.459,99.326 62.459,97.559 62.137,97.237 62.137,96.793 61.5,96.157 61.5,95.968 60.63,95.098 ; 65.684,93.955 66.244,94.515
NetJ8_63: J8.63 | length 113.7
  Top Layer w0.5: 2.718,22.352 4.445,24.079 v2(4.445,24.232) ; v2@27.229,45.796 v2(27.305,45.872) 27.417,45.984 31.192,45.984 31.342,45.834 32.266,45.834 36.688,50.256 36.688,66.157 39.482,68.951 45.171,68.951 47.077,70.856 47.077,76.723 50.15,79.796 54.468,79.796 56.165,81.494 56.165,85.568 59.4,88.802 59.4,91.612 57.8,93.212 57.8,95.618 58.255,96.073 J8.63@58.255,98.05
  Bottom Layer w0.5: v2(4.445,24.232) 6.528,26.314 13.03,26.314 15.85,29.134 15.85,35.865 25.857,45.872 v2(27.305,45.872)
NetJ8_64: J8.64 | length 111.9
  Top Layer w0.5: v2(58.039,100.051) 58.09,100.051 58.255,100.216 J8.64@58.255,101.95
  Bottom Layer w0.5: 1.651,19.888 1.651,23.678 25.461,47.488 25.461,55.006 28.814,58.359 33.498,58.359 36.307,61.168 36.307,66.665 38.11,68.468 43.395,68.468 43.616,68.688 44.444,68.688 46.34,70.584 46.34,78.45 53.575,85.686 53.575,94.205 53.543,94.237 53.543,95.555 v2(58.039,100.051)
NetJ8_65: J8.65 | length 95.9
  Top Layer w0.5: 13.043,32.652 22.276,41.885 24.816,41.885 28.116,45.184 32.535,45.184 37.338,49.987 37.338,65.888 39.751,68.301 45.441,68.301 47.727,70.587 47.727,76.454 50.419,79.146 54.737,79.146 56.815,81.225 56.815,85.298 60.05,88.533 60.05,91.881 58.45,93.481 58.45,95.349 59.525,96.424 J8.65@59.525,98.05
NetJ8_66: J8.66 | length 97.5
  Top Layer w0.5: J8.66@59.525,101.95 59.525,100.012 v2(59.538,100)
  Bottom Layer w0.5: 12.446,30.328 12.446,33.553 26.111,47.219 26.111,54.737 29.083,57.709 33.767,57.709 36.957,60.898 36.957,66.396 38.379,67.818 43.665,67.818 43.885,68.038 44.714,68.038 46.99,70.315 46.99,78.181 54.225,85.417 54.225,91.745 56.4,93.92 56.4,96.862 v2(59.538,100)